# KiCad board PowerVan V1.kicad_pcb
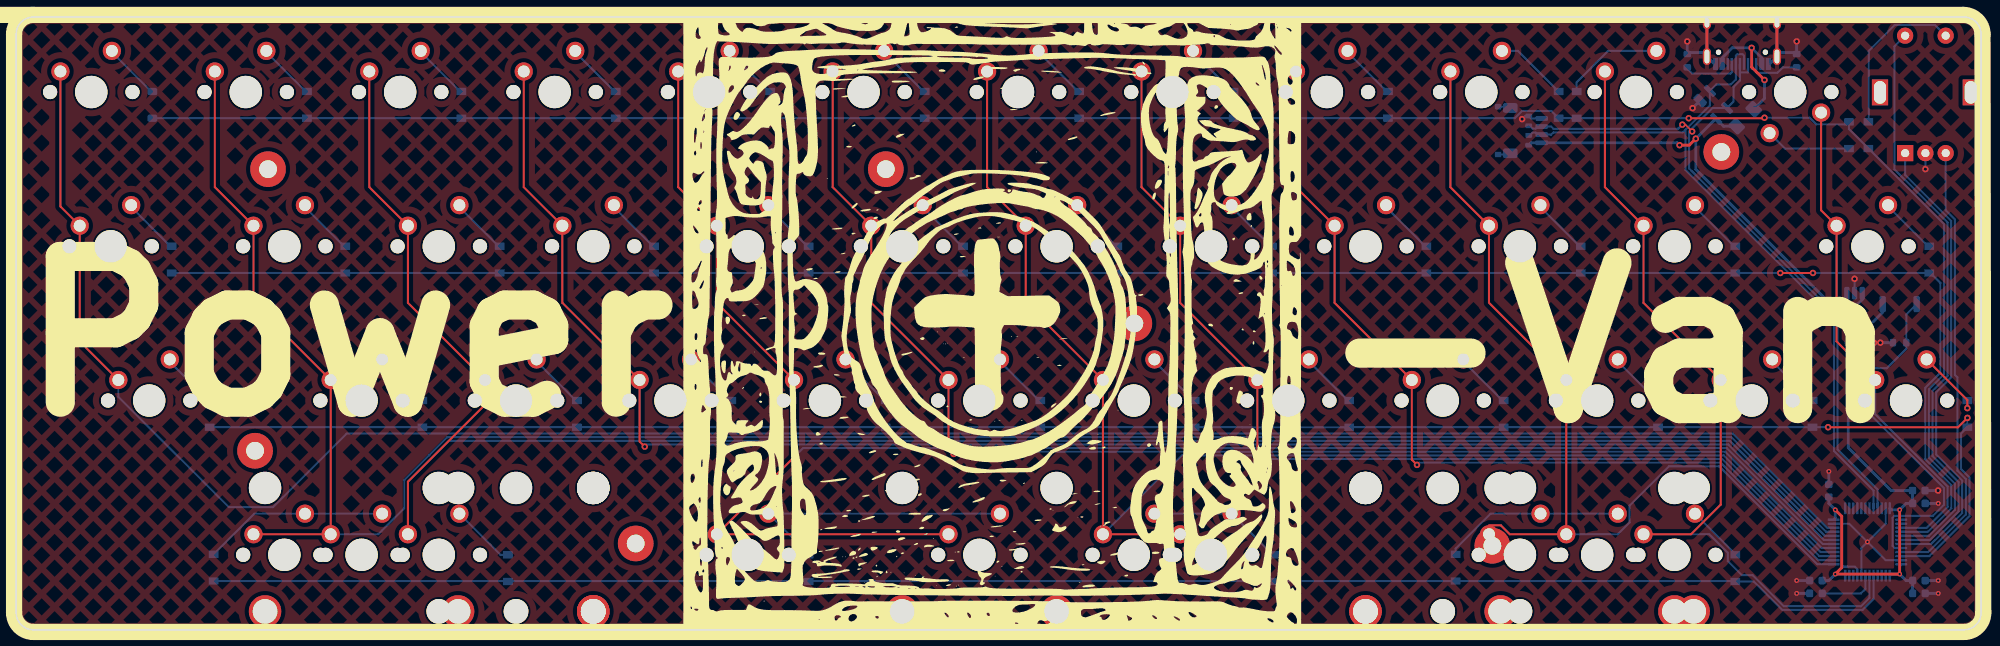
[diagram p0: board, top side]
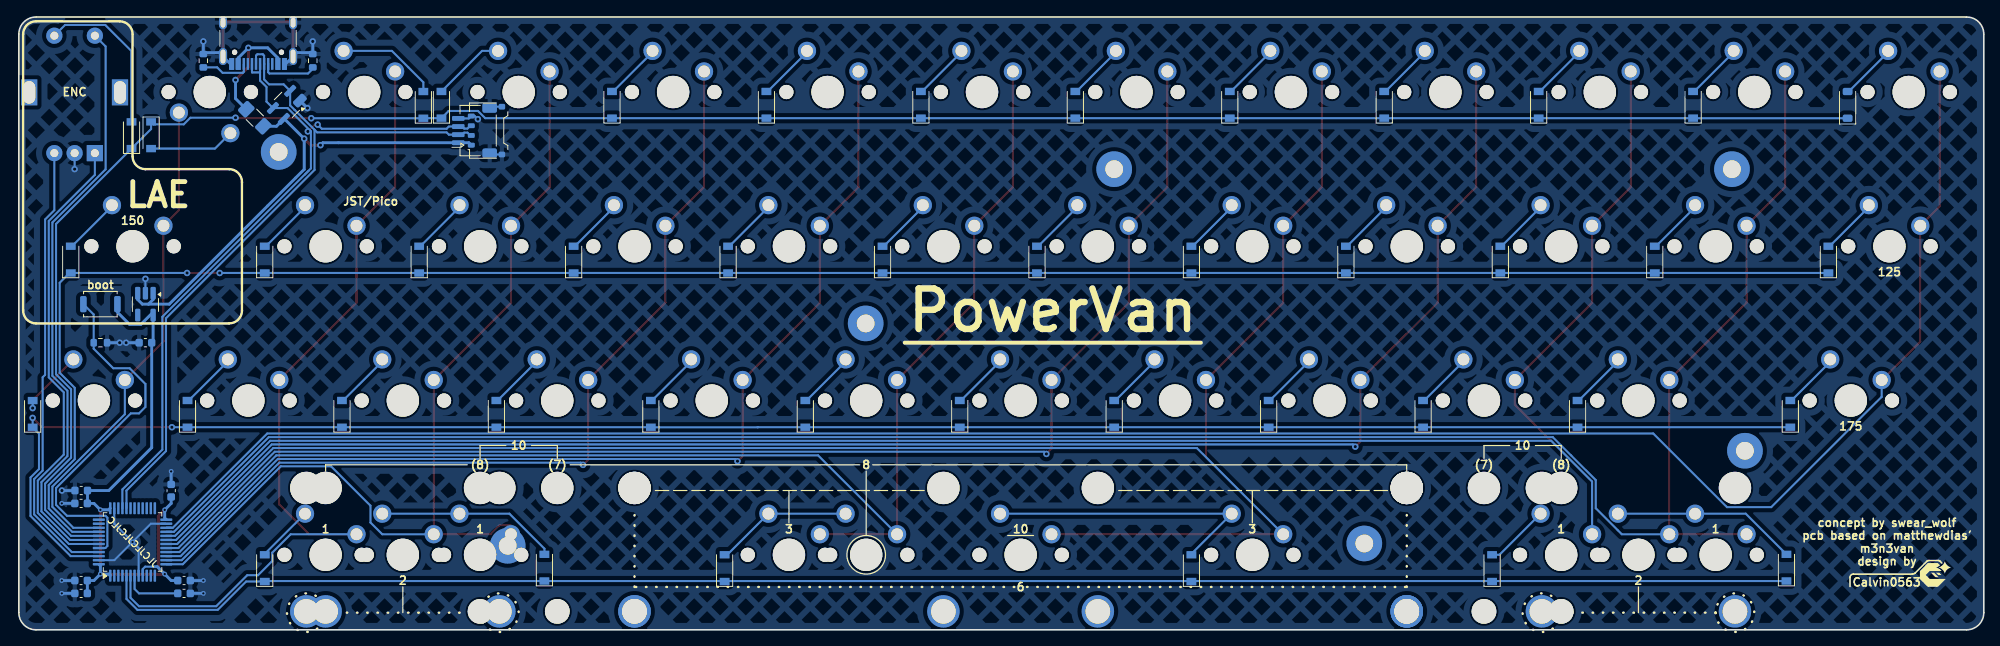
[diagram p1: board, bottom side, seen from below]

Outline 242.36 x 75.67 mm; copper layers: Top, Bottom. Coordinates in mm from the lower left corner of the outline.
Outline path: 0,73.55 arc(0.62,75.05) 2.12,75.67 240.24,75.67 arc(241.74,75.05) 242.36,73.55 242.36,2.12 arc(241.74,0.62) 240.24,0 2.12,0 arc(0.62,0.62) 0,2.12 0,73.55

## Placement (name value [footprint] x y rotation side)
C10  1nF  [C_0603_1608Metric]  226.75 35.45 0 bottom
C11  100nF  [C_0603_1608Metric]  234.69 15.61 0 bottom
C12  100nF  [C_0603_1608Metric]  223.57 17.18 90 bottom
C13  100nF  [C_0603_1608Metric]  234.69 6.09 0 bottom
C14  100nF  [C_0603_1608Metric]  234.69 4.5 0 bottom
C15  100nF  [C_0603_1608Metric]  221.99 6.09 180 bottom
C16  10uF  [C_0603_1608Metric]  234.67 17.2 0 bottom
C17  100nF  [C_0603_1608Metric]  221.99 4.5 180 bottom
D_1  D  [D_SOD-123#2]  16.8 64.82 90 bottom
D_2  D  [D_SOD-123]  35.85 64.83 90 bottom
D_3  D  [D_SOD-123]  54.9 64.83 90 bottom
D_4  D  [D_SOD-123]  73.95 64.83 90 bottom
D_5  D  [D_SOD-123]  93 64.83 90 bottom
D_6  D  [D_SOD-123]  112.05 64.83 90 bottom
D_7  D  [D_SOD-123]  131.1 64.83 90 bottom
D_8  D  [D_SOD-123]  150.15 64.83 90 bottom
D_9  D  [D_SOD-123]  169.2 64.83 90 bottom
D_10  D  [D_SOD-123]  190.24 64.83 90 bottom
D_11  D  [D_SOD-123]  192.47 64.82 90 bottom
D_12  D  [D_SOD-123]  226.05 61.08 270 bottom
D_13  D  [D_SOD-123]  228.46 61.08 90 bottom
D_14  D  [D_SOD-123]  19.17 45.72 90 bottom
D_15  D  [D_SOD-123]  40.58 45.72 90 bottom
D_16  D  [D_SOD-123]  59.63 45.72 90 bottom
D_17  D  [D_SOD-123]  78.68 45.72 90 bottom
D_18  D  [D_SOD-123]  97.73 45.72 90 bottom
D_19  D  [D_SOD-123]  116.78 45.72 90 bottom
D_20  D  [D_SOD-123]  135.83 45.72 90 bottom
D_21  D  [D_SOD-123]  154.88 45.72 90 bottom
D_22  D  [D_SOD-123]  173.93 45.72 90 bottom
D_23  D  [D_SOD-123]  192.98 45.72 90 bottom
D_24  D  [D_SOD-123]  212.03 45.72 90 bottom
D_25  D  [D_SOD-123]  235.96 45.72 90 bottom
D_26  D  [D_SOD-123]  23.87 26.67 90 bottom
D_27  D  [D_SOD-123]  50.11 26.67 90 bottom
D_28  D  [D_SOD-123]  69.16 26.67 90 bottom
D_29  D  [D_SOD-123]  88.21 26.67 90 bottom
D_30  D  [D_SOD-123]  107.26 26.67 90 bottom
D_31  D  [D_SOD-123]  126.31 26.67 90 bottom
D_32  D  [D_SOD-123]  145.36 26.67 90 bottom
D_33  D  [D_SOD-123]  164.41 26.67 90 bottom
D_34  D  [D_SOD-123]  183.46 26.67 90 bottom
D_35  D  [D_SOD-123]  202.51 26.67 90 bottom
D_36  D  [D_SOD-123]  221.56 26.67 90 bottom
D_37  D  [D_SOD-123]  240.65 26.66 90 bottom
D_38  D  [D_SOD-123]  60.65 7.62 90 bottom
D_39  D  [D_SOD-123]  24.34 7.67 90 bottom
D_40  D  [D_SOD-123]  97.73 7.62 90 bottom
D_41  D  [D_SOD-123]  155.31 7.62 90 bottom
D_42  D  [D_SOD-123]  177.54 7.67 90 bottom
D_44  D  [D_SOD-123]  212.03 7.62 90 bottom
F2  500mA  [Fuse_1206_3216Metric_Pad1.42x1.75mm_HandSolder]  213.25 63.24 225 bottom
G***  -  [LOGO]  120.39 37.84 0 top
G***#2  -  [LOGO]  6.17 6.88 180 bottom
H1  MountingHole_Pad  [MountingHole_2.2mm_M2_Pad]  31.06 56.89 0 top
H2  MountingHole_Pad  [MountingHole_2.2mm_M2_Pad]  29.46 22.11 0 top
H3  MountingHole_Pad  [MountingHole_2.2mm_M2_Pad]  76.41 10.66 0 top
H4  MountingHole_Pad  [MountingHole_2.2mm_M2_Pad]  107.26 56.89 0 top
H5  MountingHole_Pad  [MountingHole_2.2mm_M2_Pad]  137.91 37.84 0 top
H6  MountingHole_Pad  [MountingHole_2.2mm_M2_Pad]  210.31 59.01 0 top
H6#2  MountingHole_Pad  [MountingHole_2.2mm_M2_Pad]  182.07 10.38 0 top
J2  USB_C_Receptacle_USB2.0  [USB_C_Receptacle_HRO_TYPE-C-31-M-12]  212.86 73.92 0 bottom
J3  JST SH  [JST_SH_SM04B-SRSS-TB_1x04-1MP_P1.00mm_Horizontal]  186.16 61.65 90 bottom
J4  Pico EZmate  [Molex_Pico-EZmate_78171-0004_1x04-1MP_P1.20mm_Vertical]  184.68 61.65 90 bottom
K_1  KEYSW  [MXOnly-1U-NoLED]  9.26 66.41 0 top
K_2  KEYSW  [MXOnly-1U-NoLED]  28.31 66.41 0 top
K_3  KEYSW  [MXOnly-1U-NoLED]  47.36 66.41 0 top
K_4  KEYSW  [MXOnly-1U-NoLED]  66.41 66.41 0 top
K_5  KEYSW  [MXOnly-1U-NoLED]  85.46 66.41 0 top
K_6  KEYSW  [MXOnly-1U-NoLED]  104.51 66.41 0 top
K_7  KEYSW  [MXOnly-1U-NoLED]  123.56 66.41 0 top
K_8  KEYSW  [MXOnly-1U-NoLED]  142.61 66.41 0 top
K_9  KEYSW  [MXOnly-1U-NoLED]  161.66 66.41 0 top
K_10  KEYSW  [MXOnly-1U-NoLED]  180.71 66.41 0 top
K_11  KEYSW  [MXOnly-1U-NoLED]  199.76 66.41 0 top
K_12  KEYSW  [MXOnly-1U-NoLED]  218.81 66.41 180 top
K_13  KEYSW  [MXOnly-1U-NoLED]  147.37 9.26 0 top
K_14  KEYSW  [MXOnly-1.25U-NoLED]  11.64 47.36 0 top
K_15  KEYSW  [MXOnly-1U-NoLED]  33.07 47.36 0 top
K_16  KEYSW  [MXOnly-1U-NoLED]  52.12 47.36 0 top
K_17  KEYSW  [MXOnly-1U-NoLED]  71.17 47.36 0 top
K_18  KEYSW  [MXOnly-1U-NoLED]  90.22 47.36 0 top
K_19  KEYSW  [MXOnly-1U-NoLED]  109.27 47.36 0 top
K_20  KEYSW  [MXOnly-1U-NoLED]  128.32 47.36 0 top
K_21  KEYSW  [MXOnly-1U-NoLED]  147.37 47.36 0 top
K_22  KEYSW  [MXOnly-1U-NoLED]  166.42 47.36 0 top
K_23  KEYSW  [MXOnly-1U-NoLED]  185.46 47.36 0 top
K_24  KEYSW  [MXOnly-1U-NoLED]  204.52 47.36 0 top
K_25  KEYSW  [MXOnly-1.5U-NoLED]  228.34 47.36 0 top
K_26  KEYSW  [MXOnly-1.75U-NoLED]  16.4 28.31 0 top
K_27  KEYSW  [MXOnly-1U-NoLED]  42.6 28.31 0 top
K_28  KEYSW  [MXOnly-1U-NoLED]  61.65 28.31 0 top
K_29  KEYSW  [MXOnly-1U-NoLED]  80.7 28.31 0 top
K_30  KEYSW  [MXOnly-1U-NoLED]  99.75 28.31 0 top
K_31  KEYSW  [MXOnly-1U-NoLED]  118.8 28.31 0 top
K_32  KEYSW  [MXOnly-1U-NoLED]  137.85 28.31 0 top
K_33  KEYSW  [MXOnly-1U-NoLED]  156.9 28.31 0 top
K_34  KEYSW  [MXOnly-1U-NoLED]  175.95 28.31 0 top
K_35  KEYSW  [MXOnly-1U-NoLED]  195 28.31 0 top
K_36  KEYSW  [MXOnly-1U-NoLED]  214.05 28.31 0 top
K_37  KEYSW  [MXOnly-1U-NoLED]  233.1 28.31 0 top
K_38  KEYSW  [MXOnly-1U-NoLED]  52.12 9.26 0 top
K_39  KEYSW  [MXOnly-1U-NoLED]  33.07 9.26 0 top
K_40  KEYSW  [MXOnly-1U-NoLED]  90.22 9.26 0 top
K_41  KEYSW  [MXOnly-1U-NoLED]  137.85 9.26 0 top
K_42  KEYSW  [MXOnly-1U-NoLED]  185.47 9.26 0 top
K_43  KEYSW  [MXOnly-1U-NoLED]  195 9.26 0 top
K_44  KEYSW  [MXOnly-1U-NoLED]  204.52 9.26 0 top
K_45  KEYSW  [MXOnly-1U-NoLED]  118.8 9.26 0 top
K_46  KEYSW  [MXOnly-1U-NoLED]  42.6 9.26 0 top
R7  5.1k  [R_0603_1608Metric]  206.11 70.28 90 bottom
R8  5.1k  [R_0603_1608Metric]  219.6 70.28 90 bottom
R9  10k  [R_0603_1608Metric]  232.3 35.45 0 bottom
S1  2u  [STAB_MX_P_2u]  42.6 9.26 180 top
S2  8U  [STAB_MX_P_8u]  137.85 9.26 180 top
S3  2u  [STAB_MX_P_2u]  195 9.26 180 top
S4  3u  [STAB_MX_P_3u]  147.37 9.26 180 top
S5  3u  [STAB_MX_P_3u]  90.22 9.26 180 top
S6  6U  [STAB_MX_P_6u]  118.8 9.26 180 top
S7  10u  [STAB_MX_10u]  118.8 9.26 180 top
SW2  SKQGABE010  [SW_Push_SPST_NO_Alps_SKRK]  232.3 40.22 0 bottom
SW_1  Rotary_Encoder_Switch  [RotaryEncoder_Alps_EC11E-Switch_Vertical_H20mm]  232.98 58.87 90 top
U4  STM32F072C8Tx  [LQFP-48_7x7mm_P0.5mm]  228.34 10.85 90 bottom
U5  AP2112K-3.3  [SOT-23-5_HandSoldering]  226.75 40.22 270 bottom
U6  PRTR5V0U2X  [SOT-143_Handsoldering]  209.29 64.82 315 bottom

## Library data of the parts
C10 = -: LCSC Part Number: C1588; ki_fp_filters: C_*
C11-C15 C17 = -: LCSC: C1590; ki_fp_filters: C_*
C16 = -: LCSC: C1691; ki_fp_filters: C_*
D_1-D_42 D_44 = -: ki_fp_filters: TO-???* *_Diode_* *SingleDiode* D_*
F2 = -: LCSC: C135341; ki_fp_filters: *polyfuse* *PTC*
H1-H6 = -: ki_fp_filters: MountingHole*Pad*
J2 = -: Datasheet: https://www.usb.org/sites/default/files/documents/usb_type-c.zip; LCSC Part Number: C3001293; ki_fp_filters: USB*C*Receptacle*
J3 J4 = -: ki_fp_filters: Connector*:*_1x??-1MP*
R7 R8 = -: LCSC: C14677; ki_fp_filters: R_*
R9 = -: LCSC: C13564; ki_fp_filters: R_*
S1-S7 = -: Description: Cherry MX-style stabilizer
SW2 = -: LCSC: C561519
SW_1 = -: ki_fp_filters: RotaryEncoder*Switch*
U4 = -: Datasheet: https://www.st.com/resource/en/datasheet/stm32f072c8.pdf; ki_fp_filters: LQFP*7x7mm*P0.5mm*
U5 = -: Datasheet: https://www.diodes.com/assets/Datasheets/AP2112.pdf; LCSC Part Number: C3021085; ki_fp_filters: SOT?23?5*
U6 = -: Datasheet: https://assets.nexperia.com/documents/data-sheet/PRTR5V0U2X.pdf; LCSC: C2827688; JlcRotOffset: 90; ki_fp_filters: SOT?143*

## Footprints (pads in the part's own frame, mm; a bottom-side part is the same pattern mirrored in y, then rotated)
C_0603_1608Metric
  rrect 0.9x0.95 smd: 1(-0.775,0) 2(0.775,0)
D_SOD-123
  rect 0.9x1.2 smd: 1(-1.65,0) 2(1.65,0)
D_SOD-123#2
  rrect 0.9x1.2 smd: 1(-1.65,0) 2(1.65,0)
Fuse_1206_3216Metric_Pad1.42x1.75mm_HandSolder
  rrect 1.425x1.75 smd: 1(-1.488,0) 2(1.488,0)
JST_SH_SM04B-SRSS-TB_1x04-1MP_P1.00mm_Horizontal
  rrect 0.6x1.55 smd: 1(-1.5,2) 2(-0.5,2) 3(0.5,2) 4(1.5,2)
  rrect 1.2x1.8 smd: MP(-2.8,-1.875) MP(2.8,-1.875)
LQFP-48_7x7mm_P0.5mm
  rrect 1.475x0.3 smd: 1(-4.162,2.75) 2(-4.162,2.25) 3(-4.162,1.75) 4(-4.162,1.25) 5(-4.162,0.75) 6(-4.162,0.25) 7(-4.162,-0.25) 8(-4.162,-0.75) 9(-4.162,-1.25) 10(-4.162,-1.75) 11(-4.162,-2.25) 12(-4.162,-2.75) 25(4.162,-2.75) 26(4.162,-2.25) 27(4.162,-1.75) 28(4.162,-1.25) 29(4.162,-0.75) 30(4.162,-0.25) 31(4.162,0.25) 32(4.162,0.75) 33(4.162,1.25) 34(4.162,1.75) 35(4.162,2.25) 36(4.162,2.75)
  rrect 0.3x1.475 smd: 13(-2.75,-4.162) 14(-2.25,-4.162) 15(-1.75,-4.162) 16(-1.25,-4.162) 17(-0.75,-4.162) 18(-0.25,-4.162) 19(0.25,-4.162) 20(0.75,-4.162) 21(1.25,-4.162) 22(1.75,-4.162) 23(2.25,-4.162) 24(2.75,-4.162) 37(2.75,4.162) 38(2.25,4.162) 39(1.75,4.162) 40(1.25,4.162) 41(0.75,4.162) 42(0.25,4.162) 43(-0.25,4.162) 44(-0.75,4.162) 45(-1.25,4.162) 46(-1.75,4.162) 47(-2.25,4.162) 48(-2.75,4.162)
Molex_Pico-EZmate_78171-0004_1x04-1MP_P1.20mm_Vertical
  rrect 0.6x0.85 smd: 1(-1.8,1.875) 2(-0.6,1.875) 3(0.6,1.875) 4(1.8,1.875)
  rrect 0.7x0.8 smd: MP(-2.95,-1.9) MP(2.95,-1.9)
MountingHole_2.2mm_M2_Pad
  round 4.4 hole 2.2: 1(0,0)
MXOnly-1.5U-NoLED
  round 1.75 hole 1.75 unplated: (-5.08,0) (5.08,0)
  round 3.988 hole 3.988 unplated: (0,0)
  round 2.25 hole 1.47: 1(-3.81,2.54) 2(2.54,5.08)
MXOnly-1.25U-NoLED
  round 1.75 hole 1.75 unplated: (-5.08,0) (5.08,0)
  round 3.988 hole 3.988 unplated: (0,0)
  round 2.25 hole 1.47: 1(-3.81,2.54) 2(2.54,5.08)
MXOnly-1.75U-NoLED
  round 1.75 hole 1.75 unplated: (-5.08,0) (5.08,0)
  round 3.988 hole 3.988 unplated: (0,0)
  round 2.25 hole 1.47: 1(-3.81,2.54) 2(2.54,5.08)
MXOnly-1U-NoLED
  round 1.75 hole 1.75 unplated: (-5.08,0) (5.08,0)
  round 3.988 hole 3.988 unplated: (0,0)
  round 2.25 hole 1.47: 1(-3.81,2.54) 2(2.54,5.08)
R_0603_1608Metric
  rrect 0.8x0.95 smd: 1(-0.825,0) 2(0.825,0)
RotaryEncoder_Alps_EC11E-Switch_Vertical_H20mm
  rect 2x2 hole 1: A(0,0)
  round 2 hole 1: B(0,-5) C(0,-2.5) S1(14.5,-5) S2(14.5,0)
  rect 3.2x2 hole 2.8x1.5: MP(7.5,3.1) MP(7.5,-8.1)
SOT-23-5_HandSoldering
  rrect 1.56x0.65 smd: 1(-1.35,0.95) 2(-1.35,0) 3(-1.35,-0.95) 4(1.35,-0.95) 5(1.35,0.95)
SOT-143_Handsoldering
  rrect 1.7x1 smd: 1(-1.5,0.75)
  rrect 1.7x0.6 smd: 2(-1.5,-0.95) 3(1.5,-0.95) 4(1.5,0.95)
STAB_MX_10u
  round 3.048 hole 3.048 unplated: (-66.675,6.985) (-57.15,6.985) (57.15,6.985) (66.675,6.985)
  round 3.988 hole 3.988 unplated: (-66.675,-8.255) (-57.15,-8.255) (57.15,-8.255) (66.675,-8.255)
STAB_MX_P_2u
  round 4 hole 3.048: (-11.906,6.985) (11.906,6.985)
  round 3.988 hole 3.988 unplated: (-11.906,-8.255) (11.906,-8.255)
STAB_MX_P_3u
  round 4 hole 3.048: (-19.05,6.985) (19.05,6.985)
  round 3.988 hole 3.988 unplated: (-19.05,-8.255) (19.05,-8.255)
STAB_MX_P_6u
  round 4 hole 3.048: (-47.625,6.985) (47.625,6.985)
  round 3.988 hole 3.988 unplated: (-47.625,-8.255) (47.625,-8.255)
STAB_MX_P_8u
  round 4 hole 3.048: (-66.675,6.985) (66.675,6.985)
  round 3.988 hole 3.988 unplated: (-66.675,-8.255) (66.675,-8.255)
SW_Push_SPST_NO_Alps_SKRK
  rrect 0.8x2 smd: 1(-2.1,0) 2(2.1,0)
USB_C_Receptacle_HRO_TYPE-C-31-M-12
  round 0.65 hole 0.65 unplated: (-2.89,2.6) (2.89,2.6)
  rect 0.6x1.45 smd: A1(-3.25,4.045) A4(-2.45,4.045) A9(2.45,4.045) A12(3.25,4.045) B1(3.25,4.045) B4(2.45,4.045) B9(-2.45,4.045) B12(-3.25,4.045)
  rect 0.3x1.45 smd: A5(-1.25,4.045) A6(-0.25,4.045) A7(0.25,4.045) A8(1.25,4.045) B5(1.75,4.045) B6(0.75,4.045) B7(-0.75,4.045) B8(-1.75,4.045)
  oval 1x1.6 hole 0.6x1.2: S1(-4.32,-1.05) S1(4.32,-1.05)
  oval 1x2.1 hole 0.6x1.7: S1(-4.32,3.13) S1(4.32,3.13)

## Nets
+3.3V: C10.1 C11.1 C12.1 C13.1 C14.1 C15.1 C16.1 SW2.1 U4.1 U4.9 U4.24 U4.36 U4.48 U5.5
+5V: F2.2 J3.1 J4.1 U5.1 U5.3 U6.4
GND: C10.2 C11.2 C12.2 C13.2 C14.2 C15.2 C16.2 C17.2 J2.A1 J2.A12 J2.B1 J2.B12 J2.S1 J3.4 J3.MP J4.4 J4.MP R7.2 R8.2 R9.1 SW_1.C U4.8 U4.23 U4.35 U4.47 U5.2 U6.1
VBUS: F2.1 J2.A4 J2.A9 J2.B4 J2.B9
BOOT0: R9.2 SW2.2 U4.44
col0: K_1.1 K_14.1 K_26.1 U4.22
col1: K_2.1 K_15.1 K_27.1 K_39.1 K_46.1 U4.21
col2: K_3.1 K_16.1 K_28.1 K_38.1 U4.20
col3: K_4.1 K_17.1 K_29.1 U4.19
col4: K_5.1 K_18.1 K_30.1 K_40.1 K_45.1 U4.18
col5: K_6.1 K_19.1 K_31.1 U4.17
col6: K_7.1 K_13.1 K_20.1 K_32.1 K_41.1 U4.16
col7: K_8.1 K_21.1 K_33.1 U4.15
col8: K_9.1 K_22.1 K_34.1 U4.14
col9: K_10.1 K_23.1 K_35.1 K_42.1 K_43.1 U4.13
col10: K_11.1 K_24.1 K_36.1 K_44.1 U4.6
col11: K_12.1 K_25.1 K_37.1 U4.39
col12: SW_1.S2 U4.42
D+: J2.A6 J2.B6 J3.3 J4.3 U4.33 U6.3
D-: J2.A7 J2.B7 J3.2 J4.2 U4.32 U6.2
NRST: C17.1 U4.7
rotA: SW_1.A U4.43
rotB: SW_1.B U4.45
row0: D_1.1 D_2.1 D_3.1 D_4.1 D_5.1 D_6.1 D_7.1 D_8.1 D_9.1 D_10.1 D_11.1 D_12.1 D_13.1 U4.41
row1: D_14.1 D_15.1 D_16.1 D_17.1 D_18.1 D_19.1 D_20.1 D_21.1 D_22.1 D_23.1 D_24.1 D_25.1 U4.40
row2: D_26.1 D_27.1 D_28.1 D_29.1 D_30.1 D_31.1 D_32.1 D_33.1 D_34.1 D_35.1 D_36.1 D_37.1 U4.46
row3: D_38.1 D_39.1 D_40.1 D_41.1 D_42.1 D_44.1 U4.5
Net-(D_1-A): D_1.2 K_1.2
Net-(D_2-A): D_2.2 K_2.2
Net-(D_3-A): D_3.2 K_3.2
Net-(D_4-A): D_4.2 K_4.2
Net-(D_5-A): D_5.2 K_5.2
Net-(D_6-A): D_6.2 K_6.2
Net-(D_7-A): D_7.2 K_7.2
Net-(D_8-A): D_8.2 K_8.2
Net-(D_9-A): D_9.2 K_9.2
Net-(D_10-A): D_10.2 K_10.2
Net-(D_11-A): D_11.2 K_11.2
Net-(D_12-A): D_12.2 K_12.2
Net-(D_13-A): D_13.2 SW_1.S1
Net-(D_14-A): D_14.2 K_14.2
Net-(D_15-A): D_15.2 K_15.2
Net-(D_16-A): D_16.2 K_16.2
Net-(D_17-A): D_17.2 K_17.2
Net-(D_18-A): D_18.2 K_18.2
Net-(D_19-A): D_19.2 K_19.2
Net-(D_20-A): D_20.2 K_20.2
Net-(D_21-A): D_21.2 K_21.2
Net-(D_22-A): D_22.2 K_22.2
Net-(D_23-A): D_23.2 K_23.2
Net-(D_24-A): D_24.2 K_24.2
Net-(D_25-A): D_25.2 K_25.2
Net-(D_26-A): D_26.2 K_26.2
Net-(D_27-A): D_27.2 K_27.2
Net-(D_28-A): D_28.2 K_28.2
Net-(D_29-A): D_29.2 K_29.2
Net-(D_30-A): D_30.2 K_30.2
Net-(D_31-A): D_31.2 K_31.2
Net-(D_32-A): D_32.2 K_32.2
Net-(D_33-A): D_33.2 K_33.2
Net-(D_34-A): D_34.2 K_34.2
Net-(D_35-A): D_35.2 K_35.2
Net-(D_36-A): D_36.2 K_36.2
Net-(D_37-A): D_37.2 K_37.2
Net-(D_38-A): D_38.2 K_38.2
Net-(D_39-A): D_39.2 K_39.2 K_46.2
Net-(D_40-A): D_40.2 K_40.2 K_45.2
Net-(D_41-A): D_41.2 K_13.2 K_41.2
Net-(D_42-A): D_42.2 K_42.2 K_43.2
Net-(D_44-A): D_44.2 K_44.2
Net-(J2-CC1): J2.A5 R7.1
Net-(J2-CC2): J2.B5 R8.1

Pads without a net: H1 1; H2 1; H3 1; H4 1; H5 1; H6 1; H6#2 1; J2 A8 B8; SW_1 MP; U4 2 3 4 10 11 12 25 26 27 28 29 30 31 34 37 38; U5 4

## Via types
v1: diameter 0.6, hole 0.3, Top to Bottom, 11 vias
v2: diameter 0.8, hole 0.4, Top to Bottom, 26 vias

## Routing (per net, layer and track width the routed paths; a pad name or vN(x,y) marks a point on that pad's centre or on a via; arc(x,y) is an arc through that point)
+3.3V: length 77.9
  Top w0.35: v1(224.37,14.82) 225.16,14.02 225.16,7.67 v1(224.37,6.88) v1(232.3,6.88) v1(232.3,14.82)
  Bottom w0.25: 225.85,7.8 226.78,7.8 227.09,7.49 U4.9
  Bottom w0.35: 224.17,13.62 224.2,13.62 224.37,13.79 v1(224.37,14.82) 223.57,15.61 ; v1(232.3,6.88) 231.28,6.88 231.11,6.71 231.11,6.69 ; v1(232.3,6.88) 232.3,7.9 232.47,8.07 232.5,8.07 ; v1(232.3,6.88) 233.1,6.09 C13.1 C14.1 ; 225.85,7.8 225.29,7.8 v1(224.37,6.88) 223.57,6.09 C15.1 ; 223.57,16.14 223.57,15.59 ; SW2.1 230.2,39.22 228.7,37.71 227.31,37.71 225.8,39.22 U5.5 225.8,35.63 C10.1 225.97,22.49 231.27,17.2 C16.1 233.89,15.63 C11.1 233.1,15.61 v1(232.3,14.82) 231.28,14.82 231.11,14.99 231.11,15.01
+5V: length 61.5
  Top w0.35: 207.12,60.7 v2(207.16,60.65) 206.36,59.85 v2(205.16,59.85)
  Bottom w0.35: J4.1 186.85,60.15 J3.1 204.86,60.15 v2(205.16,59.85) ; 226.37,40.22 227.13,40.22 227.7,40.79 U5.3 ; 226.37,40.22 223.8,40.22 207.16,56.86 v2(207.16,60.65) 209.6,63.09 U6.4 210.58,62.18 F2.2 ; 226.37,40.22 225.8,40.79 U5.1
GND: length 71.2
  Top w0.35: 208.54,70.89 208.54,75.07 217.18,75.07 217.18,70.89
  Bottom w0.25: SW_1.C 235.48,56.89 v2(235.48,56.89) ; J3.4 186.85,63.15 J4.4 186.13,63.45 v2(185.74,63.06) ; J3.MP 184.14,64.6 J4.MP ; v1(228.34,10.85) 226.09,13.1 U4.23 ; v1(228.34,10.85) 227.59,10.1 U4.8 ; v1(228.34,10.85) 230.59,13.1 U4.35 ; v1(228.34,10.85) 230.59,8.6 U4.47 ; J3.MP 184.14,58.7 J4.MP ; U5.2 v2(226.75,43.34)
  Bottom w0.35: 235.7,17.2 v2(237.05,17.2) ; 235.72,6.09 v1(237.07,6.09) ; 220.95,6.09 v1(219.6,6.09) ; v2(219.6,72.66) 219.6,71.28 217.66,71.28 J2.S1 216.26,69.88 J2.A12 ; 220.95,4.5 v1(219.6,4.5) ; C10.2 v2(229.13,35.45) ; 223.57,18.22 v1(223.57,19.56) ; J2.A1 209.45,69.88 J2.S1 208.05,71.28 206.11,71.28 v2(206.11,72.66) ; U6.1 207.69,65.35 v2(206.76,64.42) ; R9.1 v2(229.92,35.45) ; 235.72,4.5 v1(237.07,4.5) ; 235.72,15.61 v1(237.07,15.61)
VBUS: length 16.3
  Top w0.35: 214.05,71.97 214.05,69.49 v2(215.64,67.9)
  Bottom w0.35: J2.A4 210.41,70.61 211.67,71.87 v2(214.05,71.87) 215.31,70.61 J2.A9 ; F2.1 215.64,65.62 v2(215.64,67.9)
BOOT0: length 46
  Bottom w0.25: SW2.2 233.13,38.94 R9.2 233.13,34.71 230.72,32.3 228.69,32.3 226.75,30.36 226.75,27.52 227.54,26.72 228.55,26.72 237.77,17.5 237.77,15.43 236.41,14.07 231.67,14.07 231.44,13.84 231.44,10.36 231.69,10.1 U4.44
col0: length 269.6
  Top w0.25: K_1.1 5.45,52.28 K_14.1 7.83,35.61 12.59,30.85
  Bottom w0.25: 223.57,12.6 U4.22 223.37,12.6 211.72,24.24 40.77,24.24 31.67,15.15 26.22,15.15 12.59,28.77 12.59,30.85
col1: length 269.8
  Top w0.25: K_39.1 K_46.1 38.79,30.85 29.26,40.38 K_15.1 24.5,54.66 K_2.1
  Bottom w0.25: U4.21 223.23,12.1 211.54,23.79 53.16,23.79 47.86,18.49 47.86,15.01 44.65,11.8 K_46.1
col2: length 256.3
  Top w0.25: K_38.1 48.31,18.29 57.84,27.81 57.84,30.85 48.31,40.38 K_16.1 43.55,54.66 K_3.1
  Bottom w0.25: K_38.1 48.31,18.31 53.35,23.34 211.35,23.34 223.09,11.6 U4.20
col3: length 204.2
  Top w0.25: v2(77.52,22.62) 76.89,23.25 76.89,30.85 67.36,40.38 K_17.1 62.6,54.66 K_4.1
  Bottom w0.25: v2(77.52,22.62) 77.8,22.89 211.16,22.89 222.96,11.1 U4.19
col4: length 242.7
  Top w0.25: K_5.1 81.65,54.66 K_18.1 86.41,40.38 95.94,30.85 95.94,21.33 K_40.1 K_45.1
  Bottom w0.25: K_40.1 97.05,22.44 210.98,22.44 222.82,10.6 U4.18
col5: length 167
  Top w0.25: v2(115.62,21.72) 114.99,22.35 114.99,30.85 105.46,40.38 K_19.1 100.7,54.66 K_6.1
  Bottom w0.25: U4.17 222.69,10.1 210.79,21.99 115.9,21.99 v2(115.62,21.72)
col6: length 171.7
  Top w0.25: K_7.1 119.75,54.66 K_20.1 124.51,40.38 134.04,30.85 K_41.1 K_13.1
  Bottom w0.25: K_41.1 143.78,21.54 210.6,21.54 222.55,9.6 U4.16
col7: length 129.8
  Top w0.25: v2(153.72,20.82) 153.09,21.45 153.09,30.85 143.56,40.38 K_21.1 138.8,54.66 K_8.1
  Bottom w0.25: v2(153.72,20.82) 154,21.09 210.42,21.09 222.41,9.1 U4.15
col8: length 111.3
  Top w0.25: K_9.1 157.85,54.66 K_22.1 162.61,40.38 172.14,30.85 172.14,21 v2(172.77,20.37)
  Bottom w0.25: U4.14 222.28,8.6 210.23,20.64 173.05,20.64 v2(172.77,20.37)
col9: length 115.7
  Top w0.25: K_10.1 176.9,54.65 K_23.1 181.65,40.39 191.19,30.85 K_43.1 184.21,11.8 183.11,12.9 181.66,12.9
  Bottom w0.25: K_43.1 197.54,11.8 198.99,13.25 198.99,15.33 203.85,20.19 210.05,20.19 222.14,8.1 U4.13
col10: length 105.8
  Top w0.25: K_44.1 206.57,11.8 210.24,15.46 210.24,30.85 200.71,40.38 K_24.1 195.95,54.66 K_11.1
  Bottom w0.25: K_44.1 208.83,11.8 211.11,9.52 211.11,8.49 212.86,6.74 214.18,6.74 218.02,2.91 227.54,2.91 228.59,3.95 U4.6
col11: length 61.9
  Top w0.25: K_12.1 222.62,51.81 K_25.1 224.53,35.61 229.29,30.85
  Bottom w0.25: U4.39 235.64,12.6 238.22,15.18 238.22,17.68 229.29,26.62 229.29,30.85
col12: length 72.6
  Bottom w0.25: U4.42 236.05,11.1 239.57,14.62 239.57,18.24 236.37,21.45 236.37,29.51 238.22,31.37 238.22,50.3 231.66,56.87 231.66,72.04 SW_1.S2
D+: length 92.6
  Top w0.2: v2(205.5,62.39) 205.87,62.39 v2(206.71,61.54)
  Bottom w0.2: 205.27,62.15 v2(205.5,62.39) ; 206.34,61.55 206.7,61.55 v2(206.71,61.54)
  Bottom w0.25: 207.06,56.25 206.34,56.98 206.34,61.55 209.21,64.43 U6.3 211.82,65.23 211.82,67.04 212.61,67.83 212.61,68.8 212.63,68.83 ; 207.06,56.25 224.66,38.66 224.66,22.26 229.59,17.33 U4.33 ; 207.06,56.25 206.63,56.69 ; v2(205.5,62.39) 204.99,61.87 189.6,61.87 189.32,62.15 J3.3 187.69,62.15 187.44,61.9 187.03,61.9 186.68,62.25 J4.3 ; J2.B6 213.61,68.85 213.58,68.83 212.63,68.83 ; 212.63,68.83 212.61,68.85 J2.A6
D-: length 91.2
  Bottom w0.25: J4.2 186.68,61.05 187.03,61.4 187.44,61.4 187.69,61.15 J3.2 189.32,61.15 189.6,61.42 205.57,61.42 205.95,61.81 ; 205.95,61.81 208.9,64.75 U6.2 209.7,67.36 211.5,67.36 212.11,67.96 J2.B7 212.11,70.9 212.28,71.07 212.94,71.07 213.11,70.9 J2.A7 ; 205.95,61.81 205.89,61.74 205.89,56.79 224.21,38.47 224.21,22.08 229.09,17.2 U4.32
NRST: length 7.2
  Bottom w0.25: C17.1 227.54,4.5 228.09,5.04 U4.7
rotA: length 58
  Bottom w0.25: SW_1.A 232.98,56.18 238.67,50.49 238.67,31.18 236.82,29.33 236.82,21.64 240.02,18.43 240.02,14.43 236.19,10.6 U4.43
rotB: length 55.6
  Bottom w0.25: SW_1.B 237.98,51.81 239.12,50.68 239.12,31.49 239.43,31.18 239.43,19.66 240.47,18.62 240.47,14.25 235.82,9.6 U4.45
row0: length 273.3
  Top w0.25: v2(206.29,63.17) 215.57,63.17 v2(215.64,63.24)
  Bottom w0.25: U4.41 235.91,11.6 239.12,14.81 239.12,18.06 235.92,21.26 235.92,29.7 237.77,31.55 237.77,50.12 D_13.1 226.05,61.84 D_12.1 225.74,62.42 222.02,62.42 221.2,63.24 v2(215.64,63.24) ; v2(206.29,63.17) 206.29,63.17 192.27,63.17 192.26,63.18 D_10.1 189.34,64.07 185.73,64.07 184.84,63.18 D_9.1 D_8.1 D_7.1 D_6.1 D_5.1 D_4.1 D_3.1 D_2.1 35.84,63.17 D_1.1
row1: length 256
  Top w0.25: v2(221.61,44.07) 221.61,44.06 v2(217.59,44.06)
  Bottom w0.25: v2(217.59,44.06) 217.58,44.07 D_24.1 D_14.1 ; U4.40 235.78,12.1 238.67,14.99 238.67,17.87 235.47,21.08 235.47,29.89 237.32,31.74 237.32,42.85 236.11,44.07 D_25.1 221.62,44.07 v2(221.61,44.07)
row2: length 240.6
  Top w0.25: 239.44,25.01 239.51,25.01 v2(240.67,26.17) ; 239.44,25.01 v2(223.48,25.01) ; 239.44,25.01 239.45,25.01
  Bottom w0.25: v2(240.67,26.17) 240.65,26.16 D_37.1 239.88,24.23 239.88,19.85 240.92,18.8 240.92,14.06 235.96,9.1 U4.46 ; D_26.1 D_27.1 D_28.1 D_29.1 D_30.1 D_31.1 D_32.1 151.2,25.02 151.21,25.01 164.4,25.01 D_33.1 D_34.1 D_35.1 D_36.1 223.48,25.02 v2(223.48,25.01)
row3: length 209.6
  Bottom w0.25: D_39.1 211.98,6.02 D_44.1 214.32,5.97 217.83,2.46 227.73,2.46 229.09,3.82 U4.5
Net-(D_1-A): length 7.2
  Bottom w0.25: 11.8,71.49 11.8,71.33 16.65,66.48 16.8,66.48
Net-(D_2-A): length 7.2
  Bottom w0.25: K_2.2 30.85,71.33 35.7,66.48 D_2.2
Net-(D_3-A): length 7.2
  Bottom w0.25: D_3.2 54.75,66.48 49.9,71.33 K_3.2
Net-(D_4-A): length 7.2
  Bottom w0.25: K_4.2 68.95,71.33 73.8,66.48 D_4.2
Net-(D_5-A): length 7.2
  Bottom w0.25: K_5.2 88,71.33 92.85,66.48 D_5.2
Net-(D_6-A): length 7.2
  Bottom w0.25: K_6.2 107.05,71.33 111.9,66.48 D_6.2
Net-(D_7-A): length 7.2
  Bottom w0.25: K_7.2 126.1,71.33 130.95,66.48 D_7.2
Net-(D_8-A): length 7.2
  Bottom w0.25: 145.15,71.49 145.15,71.33 150,66.48 D_8.2
Net-(D_9-A): length 7.2
  Bottom w0.25: D_9.2 169.05,66.48 164.2,71.33 K_9.2
Net-(D_10-A): length 9.1
  Bottom w0.25: K_10.2 185.23,71.49 D_10.2
Net-(D_11-A): length 12.6
  Bottom w0.25: K_11.2 196.34,71.49 192.47,67.61 D_11.2
Net-(D_12-A): length 10.6
  Bottom w0.25: K_12.2 218.17,59.43 D_12.2
Net-(D_13-A): length 20.1
  Bottom w0.25: SW_1.S1 236.66,74.69 231.7,74.69 228.49,71.49 228.49,62.76 D_13.2
Net-(D_14-A): length 7.2
  Bottom w0.25: K_14.2 14.18,52.2 19.02,47.37 D_14.2
Net-(D_15-A): length 7.2
  Bottom w0.25: K_15.2 35.61,52.19 40.43,47.37 D_15.2
Net-(D_16-A): length 7.2
  Bottom w0.25: D_16.2 59.48,47.37 54.66,52.19 K_16.2
Net-(D_17-A): length 7.2
  Bottom w0.25: K_17.2 73.71,52.19 78.53,47.37 D_17.2
Net-(D_18-A): length 7.2
  Bottom w0.25: D_18.2 97.58,47.37 92.76,52.19 K_18.2
Net-(D_19-A): length 7.2
  Bottom w0.25: D_19.2 116.63,47.37 111.81,52.19 K_19.2
Net-(D_20-A): length 7.2
  Bottom w0.25: D_20.2 135.68,47.37 130.86,52.19 K_20.2
Net-(D_21-A): length 7.2
  Bottom w0.25: K_21.2 149.91,52.19 154.73,47.37 D_21.2
Net-(D_22-A): length 7.2
  Bottom w0.25: D_22.2 173.78,47.37 168.96,52.19 K_22.2
Net-(D_23-A): length 7.2
  Bottom w0.25: D_23.2 192.83,47.37 188,52.2 K_23.2
Net-(D_24-A): length 7.2
  Bottom w0.25: K_24.2 207.06,52.19 211.88,47.37 D_24.2
Net-(D_25-A): length 7.3
  Bottom w0.25: K_25.2 230.88,52.3 235.81,47.37 D_25.2
Net-(D_26-A): length 7.2
  Bottom w0.25: D_26.2 23.72,28.32 18.94,33.09 K_26.2
Net-(D_27-A): length 7.2
  Bottom w0.25: D_27.2 49.96,28.32 45.14,33.14 K_27.2
Net-(D_28-A): length 7.2
  Bottom w0.25: D_28.2 69.01,28.32 64.19,33.14 K_28.2
Net-(D_29-A): length 7.2
  Bottom w0.25: K_29.2 83.24,33.14 88.06,28.32 D_29.2
Net-(D_30-A): length 7.2
  Bottom w0.25: K_30.2 102.29,33.14 107.11,28.32 D_30.2
Net-(D_31-A): length 7.2
  Bottom w0.25: D_31.2 126.16,28.32 121.34,33.14 K_31.2
Net-(D_32-A): length 7.2
  Bottom w0.25: K_32.2 140.39,33.14 145.21,28.32 D_32.2
Net-(D_33-A): length 7.2
  Bottom w0.25: K_33.2 159.44,33.14 164.26,28.32 D_33.2
Net-(D_34-A): length 7.2
  Bottom w0.25: K_34.2 178.49,33.14 183.31,28.32 D_34.2
Net-(D_35-A): length 7.2
  Bottom w0.25: K_35.2 197.54,33.14 202.36,28.32 D_35.2
Net-(D_36-A): length 7.2
  Bottom w0.25: K_36.2 216.59,33.14 221.41,28.32 D_36.2
Net-(D_37-A): length 9
  Top w0.25: v2(240.66,27.38) 240.66,28.37 K_37.2
  Bottom w0.25: v2(240.66,27.38) 240.65,27.38 D_37.2
Net-(D_38-A): length 8.1
  Bottom w0.25: D_38.2 59.74,9.27 54.66,14.34
Net-(D_39-A): length 22.9
  Bottom w0.25: D_39.2 29.36,14.34 45.14,14.34
Net-(D_40-A): length 35.7
  Bottom w0.25: 121.34,14.34 92.76,14.34 97.73,9.37 D_40.2
Net-(D_41-A): length 17
  Bottom w0.25: 140.39,14.34 149.91,14.34 154.99,9.27 D_41.2
Net-(D_42-A): length 22.5
  Bottom w0.25: D_42.2 177.54,10.02 181.85,14.34 197.54,14.34
Net-(D_44-A): length 7.1
  Bottom w0.25: 207.06,14.34 212.03,9.37 D_44.2
Net-(J2-CC1): length 6.8
  Bottom w0.25: J2.A5 211.61,68.85 211.44,68.69 206.7,68.69 206.11,69.28
Net-(J2-CC2): length 6.3
  Bottom w0.25: J2.B5 214.61,68.9 214.73,68.78 217.22,68.78 217.9,69.45 R8.1

## Copper pours and planes (outline as drawn; the poured copper is in the pictures)
GND on Top, Bottom: -5.03,81.49 254.53,81.49 254.53,-7.41 -5.03,-7.41
GND on Bottom: 224.37,14.82 232.3,14.82 232.3,6.88 224.37,6.88

## Text on the board
B.Silkscreen: JLCJLCJLCJLC | Calvin0563 | 125 | concept by swear_wolf | pcb based on matthewdias' / m3n3van | design by | 175 | 1 | 2 | (8) | 10 | (7) | 3 | 6 | 8 | JST/Pico | 150 | boot | ENC | LAE | PowerVan
F.Silkscreen: Power | -Van
